# Altium PCB MB1297.PcbDoc (part 1 of 4) (continued)
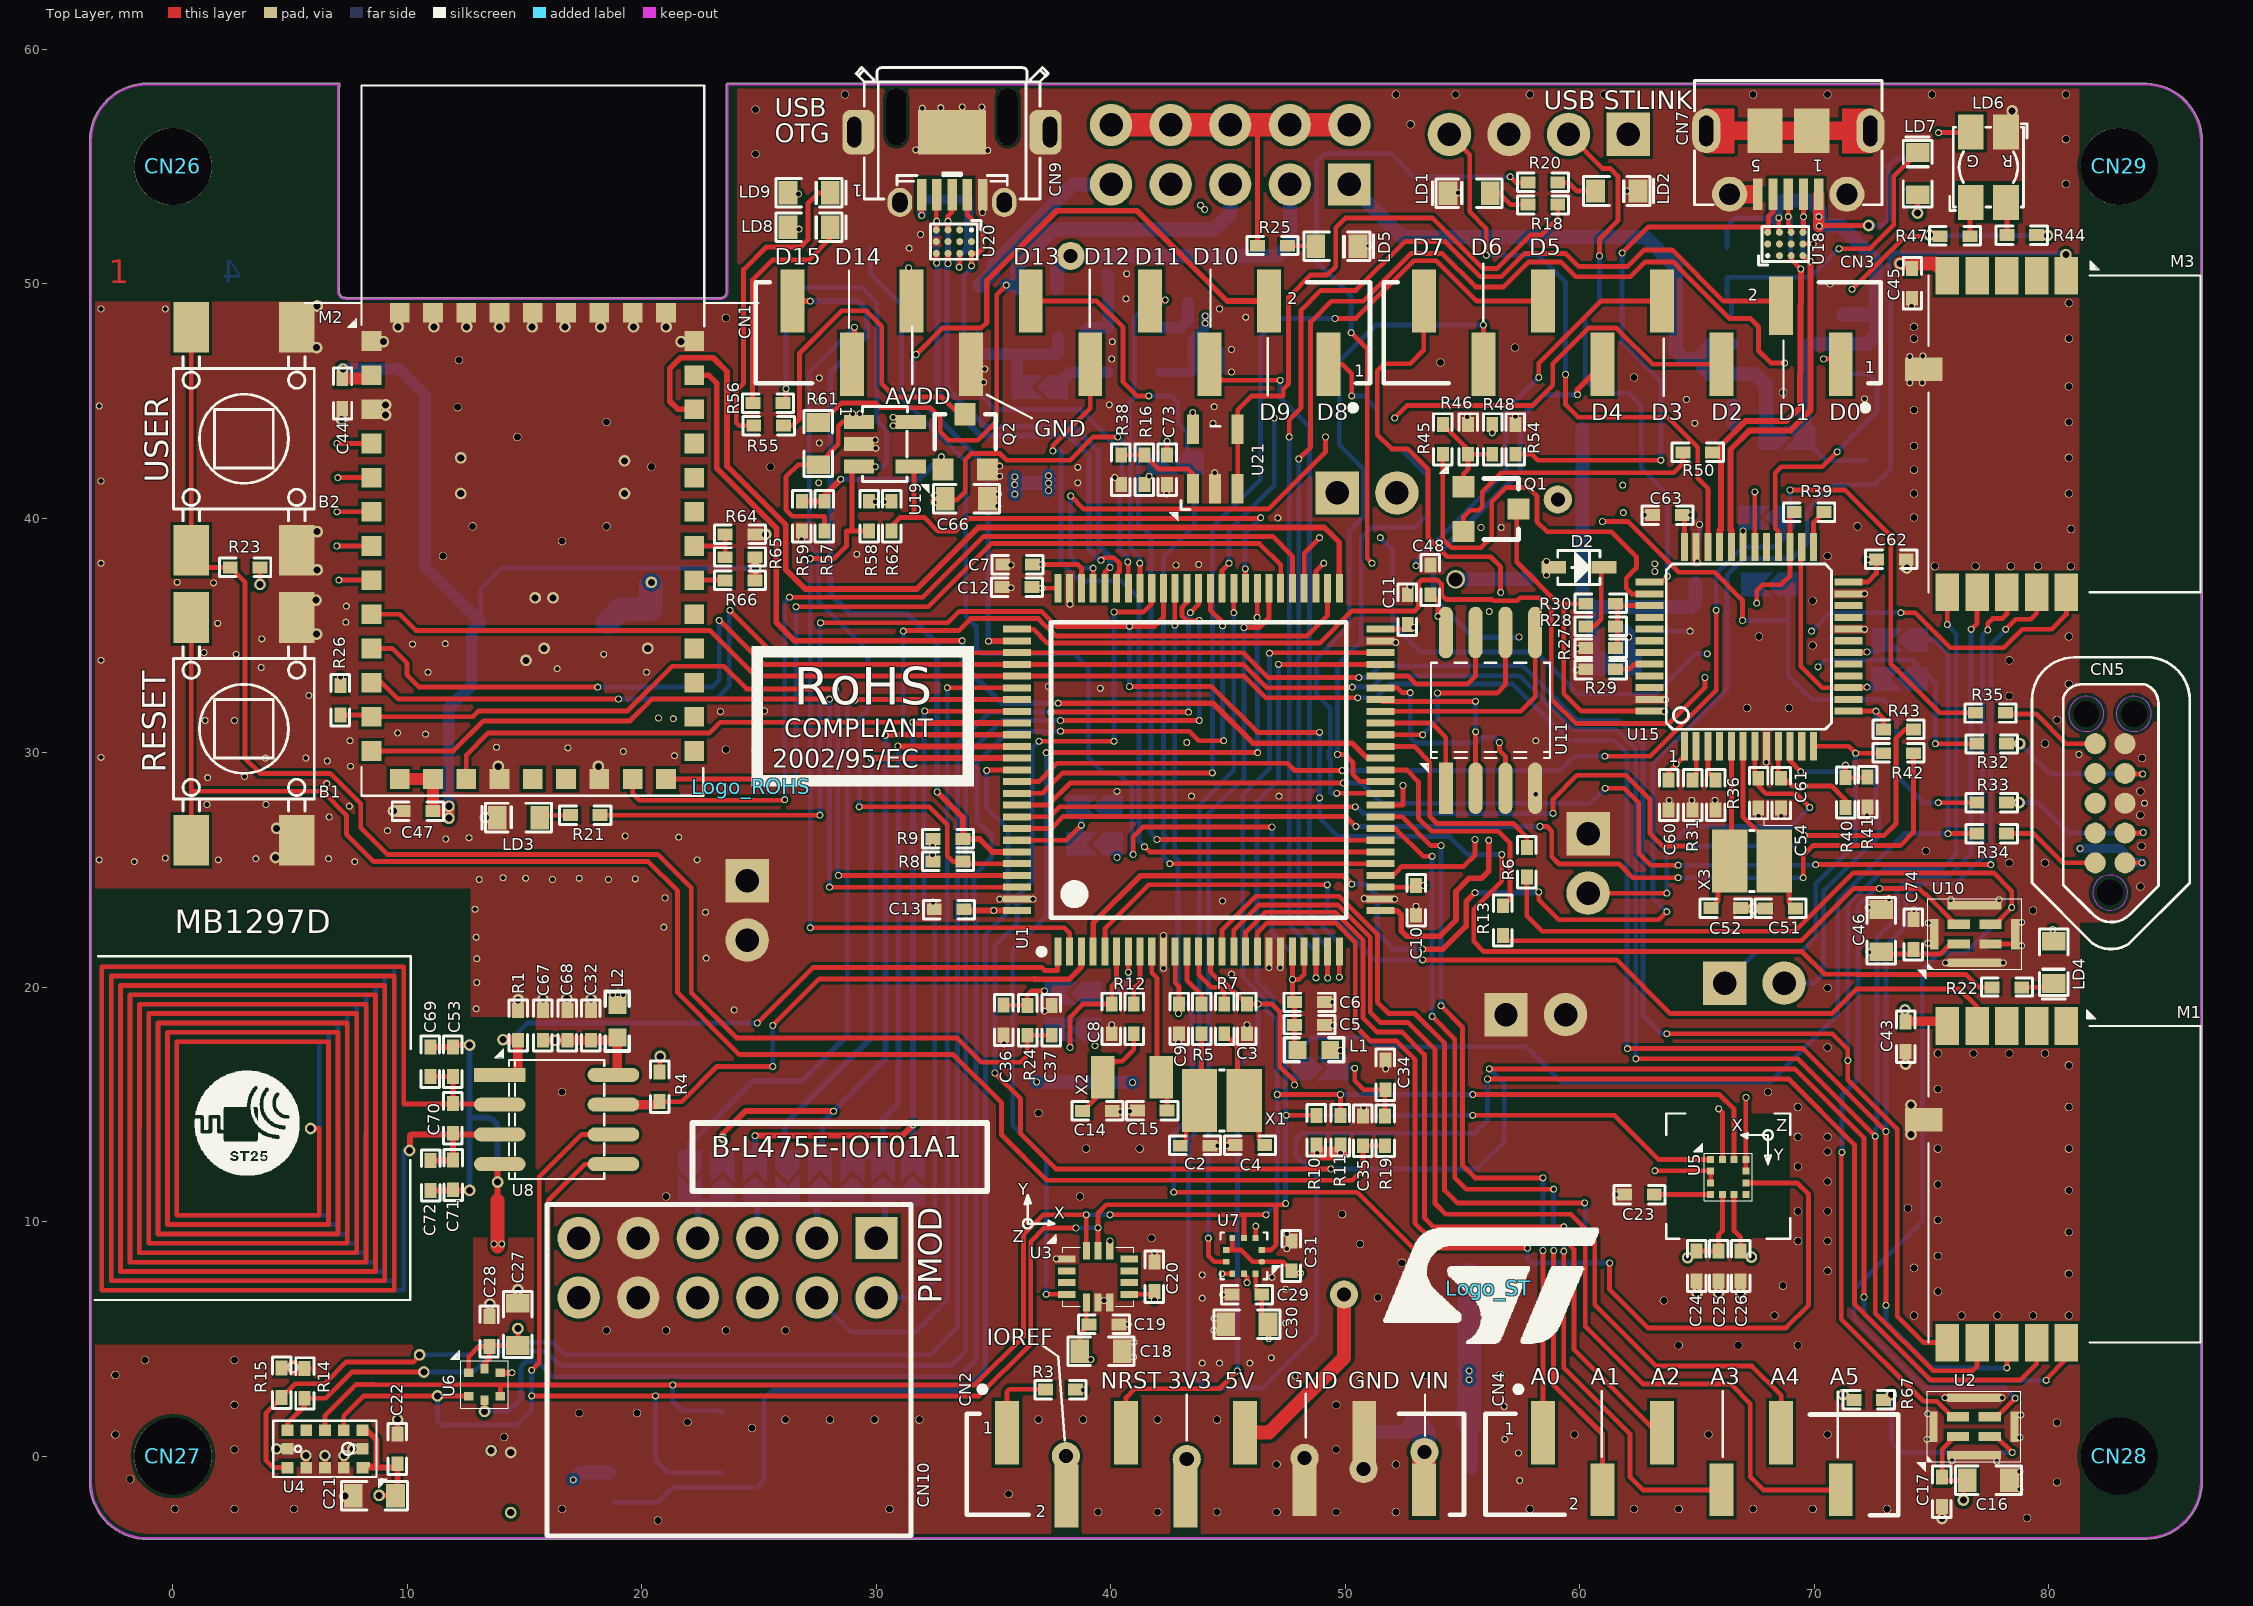
[diagram p0: Top Layer view]
## Design rules (kind name [scope] priority, off if disabled: settings)
AssemblyTestPointUsage [All] p1 off:
AssemblyTestpoint [All] p1 off: testpointundercomponent=TRUE minsize=1.016 maxsize=2.54 preferedsize=1.524 minholesize=0 maxholesize=1.016 preferedholesize=0.813 testpointgrid=0.025 usegrid=TRUE gridtolerance=0 allowsidetop=TRUE allowsidebottom=TRUE
Clearance Clearance_Poly [InPolygon] p1: gap=0.14
Clearance [All] p2: gap=0.102
ComponentClearance [All] p1 off: gap=0.254 collisioncheckmode=3 verticalgap=0.254 showdistances=FALSE
DiffPairsRouting [All] p1: maxlimit=0.508 minlimit=0.145 mostfreqgap=0.145 toplayer_minwidth=0.381 toplayer_maxwidth=0.381 toplayer_prefwidth=0.381 midlayer1_minwidth=0.381 midlayer1_maxwidth=0.381 midlayer1_prefwidth=0.381 midlayer2_minwidth=0.381 midlayer2_maxwidth=0.381 midlayer2_prefwidth=0.381 bottomlayer_minwidth=0.381 bottomlayer_maxwidth=0.381 bottomlayer_prefwidth=0.381 maxuncoupledlength=12.7
FabricationTestPointUsage [All] p1 off: valid=0 allowmultiple=FALSE
FabricationTestpoint [All] p1 off: side=3 testpointundercomponent=TRUE minsize=1.016 maxsize=2.54 preferedsize=1.524 minholesize=0 maxholesize=1.016 preferedholesize=0.813 testpointgrid=0.025 allowsidetop=TRUE allowsidebottom=TRUE usegrid=TRUE gridtolerance=0
FanoutControl Fanout_BGA [IsBGA] p1 off: bgadir=Out bgaviamode=Centered fanoutstyle=Auto fanoutdirection=Alternating viagrid=0.025 // Fanout_BGA (Default Rule)
FanoutControl Fanout_LCC [IsLCC] p2 off: bgadir=Out bgaviamode=Centered fanoutstyle=Auto fanoutdirection=Alternating viagrid=0.025 // Fanout_LCC (Default Rule)
FanoutControl Fanout_SOIC [IsSOIC] p3 off: bgadir=Out bgaviamode=Centered fanoutstyle=Auto fanoutdirection=Alternating viagrid=0.025 // Fanout_SOIC (Default Rule)
FanoutControl Fanout_Small [(CompPinCount < 5)] p4 off: bgadir=Out bgaviamode=Centered fanoutstyle=Auto fanoutdirection=OutThenIn viagrid=0.025 // Fanout_Small (Default Rule)
FanoutControl Fanout_Default [All] p5 off: bgadir=Out bgaviamode=Centered fanoutstyle=Auto fanoutdirection=Alternating viagrid=0.025 // Fanout_Default (Default Rule)
Height [All] p1 off: minheight=0 maxheight=25.4 prefheight=12.7
HoleSize [All] p1: absolutevalues=TRUE maxlimit=3.3 minlimit=0.2 maxpercent=80.000 minpercent=20.000
HoleToHoleClearance [All] p1 off: gap=0.254 allowstackedmicrovias=TRUE
LayerPairs [All] p1 off: enforce=TRUE
MinimumSolderMaskSliver [All] p1 off: minsoldermaskwidth=0.254
NetAntennae [All] p1 off: netantennaetolerance=0
PasteMaskExpansion [All] p1 off: expansion=0
PolygonConnect [All] p1: connectstyle=Direct reliefconductorwidth=0.254 reliefentries=4 polygonreliefangle="90 Angle" airgapwidth=0.254
RoutingCorners [All] p1 off: cornerstyle=45-Degree minsetback=2.54 maxsetback=2.54
RoutingLayers [All] p1 off: top layer_v5=TRUE mid layer 1_v5=TRUE mid layer 2_v5=TRUE bottom layer_v5=TRUE
RoutingPriority [All] p1 off: routingpriority=0
RoutingTopology [All] p1 off: topology=Shortest
RoutingVias [All] p1: holewidth=0.2 width=0.3 viastyle="Through Hole" minholewidth=0.2 minwidth=0.4 maxholewidth=3.3 maxwidth=3
SilkToSilkClearance [All] p1 off: silktosilkclearance=0.254
SilkToSolderMaskClearance SilkscreenOverComponentPads [IsPad] p1 off: minsilkscreentomaskgap=0.254 clearancetoexposedcopper=TRUE
SolderMaskExpansion [All] p1 off: expansion=0.102
Width [All] p1: maxlimit=6 minlimit=0.102 preferedwidth=0.2
6 further rules are at their usual default settings.

## Classes and differential pairs
component class "USB_OTG_FS  Page 4/11": C66 CN9 IC19 IC20 LD8 LD9 Q2 R55 R56 R57 R58 R59 R61 R62 U19 U20
component class "STLink V2.1 Page 11/11": C51 C52 C54 C55 C56 C57 C58 C59 C60 C61 C62 C63 C64 C65 CN5 CN6 CN7 CN8 D2 D3 D4 D5 IC15 IC16 IC17 IC18 JP8 LD6 LD7 Q1 R27 R28 R29 R30 R31 R32 R33 R34 R35 R36 R37 R39 R40 R41 R42 R43 R44 R45 R46 R47 R48 R49 R50 R51 R52 R53 R54 SB5 SB6 SB7 SB8 SB10 SB11 U15 U16 U17 U18 X3
component class "RF Modules Page 5/11": C43 C44 C45 C47 C48 C49 C50 C75 C76 IC11 M1 M2 M3 R26 R64 R65 R66 TP1 TP2 TP3 TP4 TP5 TP6 U11 U12
component class "Power part Page 8/11": C38 C39 C40 C41 C42 HW1 HW2 HW3 HW4 IC13 IC14 JP4 JP5 JP6 JP7 LD5 R25 SB4 U13 U14
component class "Peripherals Page 10/11": B1 B2 C34 C35 C36 C37 C73 CN10 IC21 LD1 LD2 LD3 LD4 R16 R17 R18 R19 R20 R21 R22 R23 R24 R38 SB1 SB2 SB3 SB12 SB14 SB15 SB16 SB18 SB19 SB20 SB21 U21
component class "NFC & ST-SAFE  Page 7/11": C32 C33 C53 C67 C68 C69 C70 C71 C72 IC8 IC9 L2 R1 R4 U8 U9
component class "MEMS Part Page 6/11": C16 C17 C18 C19 C20 C21 C22 C23 C24 C25 C26 C27 C28 C29 C30 C31 C46 C74 IC2 IC3 IC4 IC5 IC6 IC7 R6 R13 R14 R15 R67 U2 U3 U4 U5 U6 U7 U10
component class "MCU2 Page 3/11": C2 C3 C4 C5 C6 C7 C8 C9 C10 C11 C12 C13 L1 R5 R7 SB9 SB13 SB17 X1
component class "MCU1 Page 2/11": C14 C15 IC1 R8 R9 R10 R11 R12 U1 X2
component class "Arduino Connectors Page 9/11": C1 CN1 CN2 CN3 CN4 R2 R3
differential pair USB: +USB_P -USB_N
differential pair USB_STLK: +USB_STLK_P -USB_STLK_N

## Components (designator, comment, footprint, x,y, rotation, side; value= is the part's Value field where it differs from the comment)
B1 "SW-PUSH-CMS_BLACK" "SWI_WEALTHMETAL_TD-0341_4P - BACK" 3.028,31.018 r0 top
B2 "SW-PUSH-CMS_BLUE" "SWI_WEALTHMETAL_TD-0341_4P - BLUE" 3.028,43.388 r0 top
C1 "100nF" 0402_CAP_NPOL 30.384,51.516 r0 bottom
C2 "Not Fitted (8.2pF)" 0402_CAP_NPOL 43.592,13.238 r0 top
C3 "100nF" 0402_CAP_NPOL 45.801,18.648 r90 top
C4 "Not Fitted (8.2pF)" 0402_CAP_NPOL 45.928,13.264 r180 top
C5 "100nF" 0402_CAP_NPOL 48.468,18.394 r0 top
C6 "1uF" 0402_CAP_NPOL 48.468,19.36 r180 top
C7 "100nF" 0402_CAP_NPOL 36.022,38.029 r180 top
C8 "1uF" 0402_CAP_NPOL 40.036,18.648 r90 top
C9 "100nF" 0402_CAP_NPOL 42.906,18.648 r270 top
C10 "100nF" 0402_CAP_NPOL 53.015,23.703 r270 top
C11 "100nF" 0402_CAP_NPOL 52.659,36.098 r90 top
C12 "100nF" 0402_CAP_NPOL 35.997,37.063 r180 top
C13 "100nF" 0402_CAP_NPOL 33.101,23.322 r180 top
C14 "5.1pF" 0402_CAP_NPOL 39.426,14.711 r0 top
C15 "5.1pF" 0402_CAP_NPOL 41.763,14.737 r180 top
C16 "10uF" 0603_CAP_NPOL 77.424,-1.037 r0 top
C17 "100nF" 0402_CAP_NPOL 75.443,-1.519 r90 top
C18 "4.7uF" 0603_CAP_NPOL 39.578,4.475 r0 top
C19 "100nF" 0402_CAP_NPOL 39.705,5.618 r0 top
C20 "100nF" 0402_CAP_NPOL 41.864,7.65 r90 top
C21 "4.7uF" 0603_CAP_NPOL 8.59,-1.697 r180 top
C22 "100nF" 0402_CAP_NPOL 9.581,0.31 r90 top
C23 "100nF" 0402_CAP_NPOL 62.54,11.155 r180 top
C24 "1uF" 0402_CAP_NPOL 64.978,8.107 r270 top
C25 "100nF" 0402_CAP_NPOL 65.918,8.107 r270 top
C26 "100nF" 0402_CAP_NPOL 66.858,8.107 r270 top
C27 "2.2uF" 0603_CAP_NPOL 14.712,5.618 r90 top
C28 "100nF" 0402_CAP_NPOL 13.493,5.313 r90 top
C29 "100nF" 0402_CAP_NPOL 45.801,6.888 r180 top
C30 "4.7uF" 0603_CAP_NPOL 45.801,5.618 r180 top
C31 "100nF" 0402_CAP_NPOL 47.706,8.539 r90 top
C32 "100nF" 0402_CAP_NPOL 17.836,18.369 r90 top
C33 "100nF" 0402_CAP_NPOL 16.033,-0.833 r180 bottom
C34 "100nF" 0402_CAP_NPOL 51.72,16.261 r90 top
C35 "10pF" 0402_CAP_NPOL 50.754,13.873 r90 top
C36 "100nF" 0402_CAP_NPOL 35.413,18.598 r270 top
C37 "10pF" 0402_CAP_NPOL 37.479,18.587 r90 top
C38 "10uF" 0603_CAP_NPOL 50.602,1.935 r90 bottom
C39 "10uF" 0603_CAP_NPOL 56.266,-0.478 r0 bottom
C40 "10uF" 0603_CAP_NPOL 55.657,38.003 r90 bottom
C41 "10uF" 0603_CAP_NPOL 64.928,38.13 r90 bottom
C42 "100nF" 0402_CAP_NPOL 62.565,35.184 r0 bottom
C43 "100nF" 0402_CAP_NPOL 73.894,17.886 r270 top
C44 "100nF" 0402_CAP_NPOL 7.219,45.318 r270 top
C45 "100nF" 0402_CAP_NPOL 74.174,50.017 r270 top
C46 "10uF" 0603_CAP_NPOL 72.852,22.408 r90 top
C47 "100nF" 0402_CAP_NPOL 10.445,27.513 r180 top
C48 "100nF" 0402_CAP_NPOL 53.625,37.368 r90 top
C49 "10uF" 0603_CAP_NPOL 20.376,35.209 r270 bottom
C50 "10uF" 0603_CAP_NPOL 13.543,33.634 r0 bottom
C51 "10pF" 0402_CAP_NPOL 68.56,23.347 r0 top
C52 "10pF" 0402_CAP_NPOL 66.223,23.373 r180 top
C53 "10pF" 0402_CAP_NPOL 11.943,16.82 r90 top
C54 "100nF" 0402_CAP_NPOL 67.607,28.275 r270 top
C55 "100nF" 0402_CAP_NPOL 44.1,46.233 r0 bottom
C56 "1uF" 0402_CAP_NPOL 40.442,50.398 r0 bottom
C57 "100nF" 0402_CAP_NPOL 40.42,49.385 r0 bottom
C58 "10nF" 0402_CAP_NPOL 43.922,49.179 r0 bottom
C59 "1uF" 0402_CAP_NPOL 44.1,47.223 r0 bottom
C60 "100nF" 0402_CAP_NPOL 63.785,28.199 r270 top
C61 "100nF" 0402_CAP_NPOL 68.573,28.275 r270 top
C62 "100nF" 0402_CAP_NPOL 73.284,38.232 r0 top
C63 "100nF" 0402_CAP_NPOL 63.734,40.137 r180 top
C64 "1uF" 0402_CAP_NPOL 71.608,50.221 r180 bottom
C65 "100nF" 0402_CAP_NPOL 64.547,46.08 r270 bottom
C66 "4.7uF" 0603_CAP_NPOL 33.838,40.823 r0 top
C67 "100pF" 0402_CAP_NPOL 15.779,18.369 r90 top
C68 "1uF" 0402_CAP_NPOL 16.82,18.369 r90 top
C69 "Not Fitted" 0402_CAP_NPOL 10.978,16.82 r90 top
C70 "Not Fitted" 0402_CAP_NPOL 11.943,14.407 r90 top
C71 "10pF" 0402_CAP_NPOL 11.943,11.994 r270 top
C72 "Not Fitted" 0402_CAP_NPOL 10.978,11.968 r270 top
C73 "100nF" 0402_CAP_NPOL 42.398,42.067 r270 top
C74 "100nF" 0402_CAP_NPOL 74.224,22.25 r90 top
C75 "2.2uF" 0603_CAP_NPOL 10.648,46.741 r0 bottom
C76 "2.2uF" 0603_CAP_NPOL 10.673,27.513 r180 bottom
CN1 "Header 10X1_Female_SMD" F-V50XC-1X10R-LF 37.852,47.911 r0 top locked
CN2 "Header 8X1_Female_SMD" F-V50XC-1X08R-LF#1 44.456,-0.349 r180 top locked
CN3 "Header 8X1_Female_SMD" F-V50XC-1X08R-LF#2 62.236,47.911 r0 top locked
CN4 "Header 6X1_Female_SMD" F-V50XC-1X06R-LF 64.776,-0.349 r180 top locked
CN5 "TC2050-IDC-NL" CON_TAG-C_TC2050-IDC-NL 82.614,27.843 r90 top
CN6 "header 2 pins 2.54mm" CON_SAMTEC_TSW-102-07-G-S 67.442,20.172 r0 bottom
CN7 "1050170001" CON_USBMICROB_MOLEX_105017-0001_H2P90 68.89,57.968 r180 top
CN8 "Header 4 pins" CON_SAMTEC_TSW-104-07-G-S 58.247,56.367 r180 bottom
CN9 "475900001" CON_USBMICROAB_MOLEX_47590-0001_H3 33.228,57.917 r180 top
CN10 "HEADER_2X6_PMOD" "Header F 2x6x2.54 TH H PMOD" 30.003,9.301 r180 top
CN26 "Comment" "Spacer+Nut M3" 0,55 r90 top
CN27 "Comment" "Spacer+Nut M3" 0,0 r90 top
CN28 "Comment" "Spacer+Nut M3" 83,0 r90 top
CN29 "Comment" "Spacer+Nut M3" 83,55 r90 top
D2 "BAT60JFILM" DIO_SOD323 59.956,37.902 r0 top
D3 "BAT60JFILM" DIO_SOD323 37.699,48.747 r270 bottom
D4 "BAT60JFILM" DIO_SOD323 34.302,48.746 r270 bottom
D5 "BAT60JFILM" DIO_SOD323 36.017,48.746 r270 bottom
JP4 "HEADER_2X5" "Header M 2x5x2.54 TH V" 50.17,54.234 r180 bottom
JP5 "Jumper_2.54mm" CON_SAMTEC_TSW-102-07-G-S 50.928,41.077 r0 bottom
JP6 "Jumper_2.54mm" CON_SAMTEC_TSW-102-07-G-S 58.12,18.826 r0 bottom
JP7 "Jumper_2.54mm" CON_SAMTEC_TSW-102-07-G-S 24.491,23.275 r270 bottom
JP8 "Jumper_2.54mm" CON_SAMTEC_TSW-102-07-G-S 60.356,25.278 r270 bottom
L1 "FCM1608KF-601T03" 0603L 48.659,17.328 r0 top
L2 "742792042" 0603L 18.954,18.547 r270 top
LD1 "LED" 0603_LED_GREEN 55.276,53.853 r0 top
LD2 "LED" 0603_LED_GREEN 61.575,53.954 r180 top
LD3 "LED" 0603_LED_Yellow 14.737,27.234 r0 top
LD4 "LED" 0603_LED_Blue 80.218,21.061 r90 top
LD5 "LED" 0603_LED_GREEN 49.637,51.592 r180 top
LD6 "LD_BICOLOR_CMS" LED_BI-GR_HSMF-A201-A00J1 77.424,54.97 r180 top
LD7 "LED" 0603_LED_RED 74.402,54.691 r270 top
LD8 "LED" 0603_LED_RED 27.132,52.405 r180 top
LD9 "LED" 0603_LED_GREEN 27.132,53.878 r180 top
Logo_ESD "Comment" SYMBOL_ESD 31.222,20.299 r180 bottom
Logo_ROHS "Comment" SYMBOL_RoHS 24.669,28.554 r0 top
Logo_ST "Comment" LOGO_ST_Size3 56.114,7.168 r0 top
M1 "BT Module" SPBTLE-RF 80.752,18.344 r270 top
M2 "ISM43362-M3G-L44" ISM43362-M3G-L44 15.347,38.816 r90 top locked
M3 "SPSGRF" SPSGRF 80.752,50.348 r270 top
Q1 "BSR14" SOT23-3 57.384,40.391 r270 top
Q2 "BSR14" SOT23-3 33.787,44.429 r0 top
R1 "30K" 0402_RES 14.712,18.369 r270 top
R2 "0R" 0402_RES 30.384,50.652 r180 bottom
R3 "1K" 0402_RES 37.851,2.85 r180 top
R4 "20K" 0402_RES 20.757,15.753 r270 top
R5 "Not Fitted (0R)" 0402_RES 43.871,18.648 r270 top
R6 "0R" 0402_RES 57.739,25.329 r90 top
R7 "Not Fitted (0R)" 0402_RES 44.836,18.648 r270 top
R8 "2K2" 0402_RES 33.051,25.354 r0 top
R9 "2K2" 0402_RES 33.051,26.319 r0 top
R10 "2K2" 0402_RES 48.773,13.899 r90 top
R11 "2K2" 0402_RES 49.789,13.899 r90 top
R12 "0R" 0402_RES 40.975,18.648 r270 top
R13 "0R" 0402_RES 56.723,22.839 r90 top
R14 "10K" 0402_RES 5.619,3.104 r270 top
R15 "10K" 0402_RES 4.628,3.129 r270 top
R16 "10K" 0402_RES 41.433,42.067 r90 top
R18 "1K" 0402_RES 58.425,53.37 r180 top
R19 "1K" 0402_RES 51.694,13.873 r270 top
R20 "330R" 0402_RES 58.425,54.31 r0 top
R21 "1K" 0402_RES 17.582,27.335 r180 top
R22 "680R" 0402_RES 78.212,19.995 r0 top
R23 "100K" 0402_RES 3.079,37.902 r0 top
R24 "1K" 0402_RES 36.438,18.587 r270 top
R25 "330R" 0402_RES 46.894,51.618 r0 top
R26 "47K" 0402_RES 7.143,32.237 r90 top
R27 "4K7" 0402_RES 60.889,34.473 r180 top
R28 "2K7" 0402_RES 60.889,35.387 r0 top
R29 "100K" 0402_RES 60.889,33.558 r180 top
R30 "Not Fitted (0R)" 0402_RES 60.889,36.352 r0 top
R31 "10K" 0402_RES 64.801,28.199 r270 top
R32 "22R" 0402_RES 77.564,30.383 r180 top
R33 "22R" 0402_RES 77.564,27.869 r180 top
R34 "22R" 0402_RES 77.564,26.548 r180 top
R35 "22R" 0402_RES 77.513,31.704 r180 top
R36 "Not Fitted (10K)" 0402_RES 65.791,28.199 r270 top
R38 "200K" 0402_RES 40.442,42.067 r90 top
R39 "100R" 0402_RES 69.779,40.264 r180 top
R40 "4K7" 0402_RES 71.328,28.3 r270 top
R41 "4K7" 0402_RES 72.268,28.326 r270 top
R42 "0R" 0402_RES 73.589,29.977 r0 top
R43 "0R" 0402_RES 73.589,30.993 r0 top
R44 "330R" 0402_RES 78.847,52.075 r180 top
R45 "100R" 0402_RES 54.158,43.363 r90 top
R46 "36K" 0402_RES 55.225,43.363 r270 top
R47 "330R" 0402_RES 76.002,52.024 r0 top
R48 "10K" 0402_RES 56.266,43.363 r270 top
R49 "100K" 0402_RES 66.274,50.906 r90 bottom
R50 "1K5" 0402_RES 65.029,42.804 r0 top
R51 "10K" 0402_RES 72.167,43.083 r270 bottom
R52 "1K" 0402_RES 73.919,54.678 r90 bottom
R53 "2K2" 0402_RES 65.791,43.617 r0 bottom
R54 "100K" 0402_RES 57.257,43.363 r90 top
R55 "330R" 0402_RES 25.405,43.947 r180 top
R56 "1K" 0402_RES 25.38,44.912 r180 top
R57 "47K" 0402_RES 27.788,40.086 r90 top
R58 "47K" 0402_RES 29.683,40.086 r270 top
R59 "100K" 0402_RES 26.828,40.086 r90 top
R61 "0R" 0603_RES 27.513,43.185 r270 top
R62 "47K" 0402_RES 30.643,40.086 r270 top
R64 "Not Fitted (10K)" 0402_RES 24.186,39.299 r0 top
R65 "Not Fitted (10K)" 0402_RES 24.186,38.333 r0 top
R66 "Not Fitted (10K)" 0402_RES 24.186,37.343 r0 top
R67 "10K" 0402_RES 72.319,2.392 r0 top
SB1 "Close" SB 42.753,42.372 r180 bottom
SB2 "Close" SB 48.926,16.54 r0 bottom
SB3 "Close" SB 38.385,19.741 r180 bottom
SB4 "Close" SB 61.448,33.812 r0 bottom
SB5 "Close" SB 68.077,37.165 r180 bottom
SB6 "Close" SB 73.614,33.152 r180 bottom
SB7 "Close" SB 67.976,40.035 r180 bottom
SB8 "Close" SB 73.64,34.803 r180 bottom
SB9 "Open" SB 39.299,26.116 r180 bottom
SB10 "Close" SB 36.962,45.598 r180 bottom
SB11 "Open" SB 68.839,43.413 r0 bottom
SB12 "Open" SB 28.983,11.841 r90 bottom
SB13 "Close" SB 39.299,27.691 r180 bottom
SB14 "Close" SB 30.282,11.847 r90 bottom
SB15 "Close" SB 27.597,11.841 r90 bottom
SB16 "Open" SB 23.439,11.816 r90 bottom
SB17 "Close" SB 38.385,18.191 r180 bottom
SB18 "Close" SB 24.825,11.841 r90 bottom
SB19 "Open" SB 31.552,11.851 r90 bottom
SB20 "Open" SB 26.211,11.841 r270 bottom
SB21 "Close" SB 22.052,11.841 r270 bottom
TP1 "PT" PTB 8.472,43.187 r180 bottom
TP2 "PT" PTB 8.472,41.73 r180 bottom
TP3 "PT" PTB 8.472,40.273 r180 bottom
TP4 "PT" PTB 8.472,38.816 r180 bottom
TP5 "PT" PTB 8.472,37.359 r180 bottom
TP6 "PT" PTB 8.472,35.902 r180 bottom
TP9 "Comment" "LOGO CE" 42.913,11.088 r180 bottom
U1 "STM32L475VGTx" "LQFP100 14x14x1.6" 43.744,29.266 r90 top
U2 "MP34DT01-M" "HCLGA-4LD 3x4x1" 76.807,1.262 r90 top
U3 "LSM6DSL" LGA14L-2.5X3X0.86p0.5 39.451,7.65 r0 top
U4 "VL53L0X" LGA12-optical 6.482,0.31 r0 top
U5 "LIS3MDL" VFLGA12-2x2x1 66.329,11.904 r0 top
U6 "HTS221" HLGA6L-2x2x0.9 13.289,3.053 r0 top
U7 "LPS22HB" HLGA10L-2X2X0.76 45.674,8.539 r180 top
U8 "M24SR64-Y" SOP8 16.363,14.356 r0 top
U9 "STSAFE-A100 (Not Fitted)" SOP8 21.011,-0.071 r0 bottom
U10 "MP34DT01-M" "HCLGA-4LD 3x4x1" 76.84,22.266 r90 top
U11 "MX25R6435F" SOP8L 56.19,31.806 r90 top
U12 "LT1963EST-3.3" SOT223_SC73 15.829,38.664 r180 bottom
U13 "LD1117S50TR" REG_SOT223-TAB 55.28,4.551 r180 bottom
U14 "LD1117S33TR" REG_SOT223-TAB 60.106,40.619 r180 bottom
U15 "STM32F103CBT6" ICC_LQFP48_7X7_P050 67.214,34.523 r0 top
U16 "LD3985M33R" REG_SOT23-5L 40.993,47.176 r90 bottom
U17 "ST890CDR" ICC_SO8_5X4_P127 68.839,46.792 r270 bottom
U18 "EMIF02-USB03F2" ESD_FLIP-CHIP-BGA11_1P44X1P94_P050 68.763,51.694 r90 top
U19 "STMPS2141STR" MOS_SOT23-5L 30.358,43.159 r270 top
U20 "EMIF02-USB03F2" ESD_FLIP-CHIP-BGA11_1P44X1P94_P050 33.305,51.795 r270 top
U21 "TSV631AILT" SOT23-5 44.455,42.524 r90 top
X1 "Not Fitted (NX3225GD-8.00M)" CRY_NX3225GD_2P 44.735,15.169 r180 top
X2 "NX3215SA-32.768K" CRY_NX3215SA_2P 40.899,16.159 r0 top
X3 "NX3225GD-8.00M" CRY_NX3225GD_2P 67.341,25.379 r180 top

## Footprints (in the part's own frame and the unit in brackets; to place one, negate y for a bottom-side part, rotate by r counter-clockwise, add the part's x,y. Pads: shape width x height; smd on the part's side, far side on the other; paste and mask are expansions set on the pad)
0402_CAP_NPOL [mil] "Capacitor FootPrint 0402"
  rect 25x20 smd: 1(-25,0) 2(25,0)
  silkscreen extent -43,-15 43,16, body extent -39,-14 41,14, height 32
0402_RES [mil] "Resistor FootPrint 0402"
  rect 25x20 smd: 1(-25,0) 2(25,0)
  silkscreen extent -43,-15 43,16, body extent -38,-11 39,13, height 16
0603_CAP_NPOL [mm] "Capacitor FootPrint 0603"
  rect 0.8x1 smd: 1(-0.902,0) 2(0.902,0)
  silkscreen extent -1.41,-0.61 1.41,0.61, body extent -1.28,-0.46 1.26,0.48, height 0.82
0603_LED_Blue [mm] "Resistor Footprint 0603"
  rect 0.8x1 smd: A(0.902,0) K(-0.902,0)
  silkscreen extent -1.59,-0.61 1.41,0.61, body extent -1.26,-0.48 1.26,0.48, height 0.84
0603_LED_GREEN [mm] "Resistor Footprint 0603"
  rect 0.8x1 smd: A(0.902,0) K(-0.902,0)
  silkscreen extent -1.59,-0.61 1.41,0.61, body extent -1.26,-0.48 1.26,0.48, height 0.84
0603_LED_RED [mm] "Resistor Footprint 0603"
  rect 0.8x1 smd: A(0.902,0) K(-0.902,0)
  silkscreen extent -1.59,-0.61 1.41,0.61, body extent -1.26,-0.48 1.26,0.48, height 0.84
0603_LED_Yellow [mm] "Resistor Footprint 0603"
  rect 0.8x1 smd: A(0.902,0) K(-0.902,0)
  silkscreen extent -1.59,-0.61 1.41,0.61, body extent -1.26,-0.48 1.26,0.48, height 0.84
0603_RES [mm] "Resistor Footprint 0603"
  rect 0.8x1 smd: 1(-0.902,0) 2(0.902,0)
  silkscreen extent -1.41,-0.61 1.41,0.61, body extent -1.26,-0.48 1.26,0.48, height 0.4
0603L [mil]
  rect 30x30 smd: 1(27.5,0) 2(-27.5,0)
  silkscreen extent -50,-20 50,20
CON_SAMTEC_TSW-102-07-G-S [mm]
  rect 1.85x1.85 hole 1 mask+0.05: 1(-1.27,0)
  round 1.85 hole 1 mask+0.05: 2(1.27,0)
  silkscreen extent -2.58,-1.3 2.58,1.3, body extent -2.67,-1.3 2.58,1.3, height 8.38
CON_SAMTEC_TSW-104-07-G-S [mm]
  rect 1.85x1.85 hole 1 mask+0.05: 1(-3.81,0)
  round 1.85 hole 1 mask+0.05: 2(-1.27,0) 3(1.27,0) 4(3.81,0)
  silkscreen extent -5.12,-1.3 5.12,1.3, body extent -5.21,-1.37 5.18,1.37, height 8.38
CON_TAG-C_TC2050-IDC-NL [mm]
  round 0.9 smd paste-9 mask+0.05: 1(-2.54,-0.635)
  round 0.9 smd paste-0.9 mask+0.05: 2(-1.27,-0.635) 3(0,-0.635) 4(1.27,-0.635) 5(2.54,-0.635) 6(2.54,0.635) 7(1.27,0.635) 8(0,0.635) 9(-1.27,0.635) 10(-2.54,0.635)
  round 0 hole 1.1 unplated mask+0.05: 11(-3.81,0) 12(3.81,-1.015) 13(3.81,1.015)
  Multi-Layer keep-out circle w0.01: c-3.81,0 r0.75
  Multi-Layer keep-out circle w0.01: c3.81,1.015 r0.75
  Multi-Layer keep-out circle w0.01: c3.81,-1.015 r0.75
  silkscreen extent -6.22,-3.4 6.22,3.33
CON_USBMICROAB_MOLEX_47590-0001_H3 [mm]
  rect 0.4x1.35 smd mask+0.05: 1(1.3,4.125) 2(0.65,4.125) 3(0,4.125) 4(-0.65,4.125) 5(-1.3,4.125)
  oval 1.05x1.25 hole 0.65 slot 0.85 at 90 deg mask+0.05: 6(-2.225,4.45) 7(2.225,4.45)
  rrect50% 1.375x1.9 hole 0.6 slot 1.3 at 90 deg copper offset 0.188,0 mask+0.05: 8(-4.175,1.45)
  rrect50% 1.375x1.9 hole 0.6 slot 1.3 at 90 deg copper offset -0.188,0 mask+0.05: 9(4.175,1.45)
  rect 2.9x1.9 smd mask+0.05: 10(0,1.45)
  oval 0.85x2.425 hole 0.85 slot 2.425 at 90 deg unplated mask+0.1: 11(-2.375,0.8) 12(2.375,0.8)
  silkscreen extent -4.1,-1.3 4.1,4.3, body extent -4.32,-1.36 4.33,4.6, height 3
CON_USBMICROB_MOLEX_105017-0001_H2P90 [mm]
  rect 0.4x1.35 smd mask+0.05: 1(-1.3,4.15) 2(-0.65,4.15) 3(0,4.15) 4(0.65,4.15) 5(1.3,4.15)
  round 1.5 hole 0.9 mask+0.05: 6(-2.5,4.15) 7(2.5,4.15)
  oval 1.2x1.9 hole 0.6 slot 1.3 at 90 deg mask+0.05: 8(3.5,1.45) 9(-3.5,1.45)
  rect 1.5x1.9 smd mask+0.05: 10(-1,1.45) 11(1,1.45)
  Top Layer region: -3.5,2.4 -2.3,2.4 -2.3,0.5 -3.5,0.5 -3.5,2.4
  Top Layer region: 2.3,2.4 3.5,2.4 3.5,0.5 2.3,0.5 2.3,2.4
  silkscreen extent -4,-0.7 4,4.6, body extent -4.1,-1.15 4.1,4.66, height 2.9
CRY_NX3215SA_2P [mm]
  rect 1x1.8 smd mask+0.05: 1(-1.25,0) 2(1.25,0)
  body extent -1.65,-0.8 1.65,0.8, height 0.9
CRY_NX3225GD_2P [mm]
  rect 1.5x2.7 smd mask+0.05: 1(-0.95,0) 2(0.95,0)
  silkscreen extent -0.1,-1.3 0.1,1.3, body extent -1.65,-1.3 1.65,1.3, height 1
DIO_SOD323 [mm]
  rect 1.06x0.54 smd mask+0.05: 1(-1.07,0) 2(1.07,0)
  silkscreen extent -0.9,-0.72 0.9,0.72, body extent -1.3,-0.78 1.3,0.78, height 1.17
ESD_FLIP-CHIP-BGA11_1P44X1P94_P050 [mm]
  round 0.3 smd paste+0 mask+0.05: A2(0,0.75) A3(0.5,0.75) B1(-0.5,0.25) B2(0,0.25) B3(0.5,0.25) C1(-0.5,-0.25) C2(0,-0.25) C3(0.5,-0.25) D1(-0.5,-0.75) D2(0,-0.75) D3(0.5,-0.75)
  silkscreen extent -0.9,-1 0.75,1.15, body extent -0.7,-0.95 0.7,0.95, height 0.7
F-V50XC-1X06R-LF [mm] "Connector 6pts, 2.54mm  female smd"
  rect 1.02x2.7 smd: 1(6.35,-1.35) 3(1.27,-1.35) 5(-3.81,-1.35)
  rect 1.02x2.25 smd: 2(3.81,1.09) 4(-1.27,1.09) 6(-6.35,1.09)
  silkscreen extent -8.8,-3.32 8.8,2.17, body extent -8,-1.27 8,1.24, height 9.02
F-V50XC-1X08R-LF#1 [mm] "Connector 8pts, 2.54mm  female smd"
  rect 1.02x2.7 smd: 1(8.89,-1.35) 2(6.35,1.35) 3(3.81,-1.35) 4(1.27,1.35) 5(-1.27,-1.35) 7(-6.35,-1.35)
  rect 1.02x2.25 smd: 6(-3.81,1.09) 8(-8.89,1.09)
  silkscreen extent -10.6,-3.32 10.6,2.15, body extent -10.54,-1.24 10.49,1.27, height 9.02
F-V50XC-1X08R-LF#2 [mm] "Connector 8pts, 2.54mm  female smd"
  rect 1.02x2.7 smd: 1(8.89,-1.35) 3(3.81,-1.35) 4(1.27,1.35) 5(-1.27,-1.35) 6(-3.81,1.35) 7(-6.35,-1.35) 8(-8.89,1.35)
  rect 1.02x2.5 smd: 2(6.35,1.15)
  silkscreen extent -10.6,-3.32 10.6,2.15, body extent -10.54,-1.24 10.49,1.27, height 9.02
F-V50XC-1X10R-LF [mm] "Connector 10pts, 2.54mm  female smd"
  rect 1.02x2.7 smd: 1(11.43,-1.35) 2(8.89,1.35) 3(6.35,-1.35) 4(3.81,1.35) 5(1.27,-1.35) 6(-1.27,1.35) 7(-3.81,-1.35) 8(-6.35,1.35) 9(-8.89,-1.35) 10(-11.43,1.35)
  silkscreen extent -13,-3.32 13.2,2.15, body extent -13.08,-1.27 13.13,1.24, height 9.02
"HCLGA-4LD 3x4x1" [mm] "HCLGA-4LD 3x4x1mm (MP34DT01_Microphone MEMS)"
  rect 0.4x0.95 smd mask+0.02: 1(-0.425,0.675) 2(-0.425,-0.675) 3(0.425,-0.675) 4(0.425,0.675)
  rect 0.35x2.3 smd mask+0.02: 5(-1.225,0) 5(1.225,0)
  rect 1.3x0.35 smd mask+0.02: 5(0,1.725) 5(0,-1.725)
  silkscreen extent -1.91,-2 1.5,2.44, body extent -1.5,-2.01 1.5,2.01, height 1.01
"Header F 2x6x2.54 TH H PMOD" [mm] "2x6x2.54 Header TH H Female PMOD Warning Specific Pinout"
  rect 1.8x1.8 hole 1: 1(0,0)
  round 1.8 hole 1: 2(2.54,0) 3(5.08,0) 4(7.62,0) 5(10.16,0) 6(12.7,0) 7(0,2.54) 8(2.54,2.54) 9(5.08,2.54) 10(7.62,2.54) 11(10.16,2.54) 12(12.7,2.54)
  silkscreen extent -1.47,-1.43 14.05,12.7, body extent -1.42,-0.32 14.07,12.71, height 5.04
"Header M 2x5x2.54 TH V" [mm] "2x5x2.54 Header TH V Male"
  rect 1.8x1.8 hole 1: 1(0,0)
  round 1.8 hole 1: 2(0,2.54) 3(2.54,0) 4(2.54,2.54) 5(5.08,0) 6(5.08,2.54) 7(7.62,0) 8(7.62,2.54) 9(10.16,0) 10(10.16,2.54)
  silkscreen extent -1.47,-1.43 11.56,3.97, body extent -1.3,-1.24 11.4,3.84, height 8.5
HLGA6L-2x2x0.9 [mm] "HLGA6L 2x2x0.9mm pitch1mm"
  rect 0.4x0.35 smd mask+0.05: 1(-0.675,0.5) 2(-0.675,-0.5) 4(0.675,-0.5) 5(0.675,0.5)
  rect 0.35x0.4 smd mask+0.05: 3(0,-0.675) 6(0,0.675)
  silkscreen extent -1.45,-1.02 1.02,1.46, body extent -1.02,-1.02 1.02,1.02, height 1
HLGA10L-2X2X0.76 [mm] "HLGA-10L 2x2x0.76mm pitch 0.5mm"
  oct 0.275x0.25 smd paste+0 mask+0.05: 1(-0.763,0.25)
  rect 0.275x0.25 smd paste+0 mask+0.05: 2(-0.763,-0.25) 6(0.763,-0.25) 7(0.763,0.25)
  rect 0.25x0.275 smd paste+0 mask+0.05: 3(-0.5,-0.763) 4(0,-0.763) 5(0.5,-0.763) 8(0.5,0.763) 9(0,0.763) 10(-0.5,0.763)
  silkscreen extent -1.5,-1 1,1, body extent -1.02,-1.02 1.02,1.02, height 0.77
ICC_LQFP48_7X7_P050 [mm]
  rect 0.3x1.2 smd mask+0.05: 1(-2.75,-4.25) 2(-2.25,-4.25) 3(-1.75,-4.25) 4(-1.25,-4.25) 5(-0.75,-4.25) 6(-0.25,-4.25) 7(0.25,-4.25) 8(0.75,-4.25) 9(1.25,-4.25) 10(1.75,-4.25) 11(2.25,-4.25) 12(2.75,-4.25) 25(2.75,4.25) 26(2.25,4.25) 27(1.75,4.25) 28(1.25,4.25) 29(0.75,4.25) 30(0.25,4.25) 31(-0.25,4.25) 32(-0.75,4.25) 33(-1.25,4.25) 34(-1.75,4.25) 35(-2.25,4.25) 36(-2.75,4.25)
  rect 1.2x0.3 smd mask+0.05: 13(4.25,-2.75) 14(4.25,-2.25) 15(4.25,-1.75) 16(4.25,-1.25) 17(4.25,-0.75) 18(4.25,-0.25) 19(4.25,0.25) 20(4.25,0.75) 21(4.25,1.25) 22(4.25,1.75) 23(4.25,2.25) 24(4.25,2.75) 37(-4.25,2.75) 38(-4.25,2.25) 39(-4.25,1.75) 40(-4.25,1.25) 41(-4.25,0.75) 42(-4.25,0.25) 43(-4.25,-0.25) 44(-4.25,-0.75) 45(-4.25,-1.25) 46(-4.25,-1.75) 47(-4.25,-2.25) 48(-4.25,-2.75)
  silkscreen extent -3.52,-3.52 3.52,3.52, body extent -4.5,-4.5 4.5,4.5, height 1.6
ICC_SO8_5X4_P127 [mm]
  rect 0.7x1.75 smd mask+0.05: 1(-1.905,-2.375) 2(-0.635,-2.375) 3(0.635,-2.375) 4(1.905,-2.375) 5(1.905,2.375) 6(0.635,2.375) 7(-0.635,2.375) 8(-1.905,2.375)
  silkscreen extent -2.58,-2 2.58,2, body extent -2.57,-3 2.57,3, height 1.75
ISM43362-M3G-L44 [mm] "ISM43362-M3G-L44 Module Wifi 802.11 bgn"
  rect 0.84x0.84 smd: 1(8.742,6.88) 2(7.285,6.88) 3(5.828,6.88) 4(4.371,6.88) 5(2.914,6.88) 6(1.457,6.88) 7(0,6.88) 8(-1.457,6.88) 9(-2.914,6.88) 10(-4.371,6.88) 11(-5.828,6.88) 12(-7.285,6.88) 13(-8.742,6.88) 14(-9.942,5.68) 15(-9.942,4.26) 16(-9.942,2.84) 17(-9.942,1.42) 18(-9.942,0) 19(-9.942,-1.42) 20(-9.942,-2.84) 21(-9.942,-4.26) 22(-9.942,-5.68) 23(-8.742,-6.88) 24(-7.285,-6.88) 25(-5.828,-6.88) 26(-4.371,-6.88) 27(-2.914,-6.88) 28(-1.457,-6.88) 29(0,-6.88) 30(1.457,-6.88) 31(2.914,-6.88) 32(4.371,-6.88) 33(5.828,-6.88) 34(7.285,-6.88) 35(8.742,-6.88) 36(9.942,-5.68) 37(9.942,-4.26) 38(9.942,-2.84) 39(9.942,-1.42) 40(9.942,0) 41(9.942,1.42) 42(9.942,2.84) 43(9.942,4.26) 44(9.942,5.68)
  silkscreen extent -10.65,-9.63 19.64,9.73, body extent -10.64,-7.32 19.66,7.32, height 2.7
LED_BI-GR_HSMF-A201-A00J1 [mm]
  rect 1.1x1.5 smd mask+0.05: 1(-0.75,-1.5) 2(-0.75,1.5) 3(0.75,1.5) 4(0.75,-1.5)
  silkscreen extent -1.65,-1.85 1.65,1.85, body extent -1.5,-1.85 1.5,1.85, height 2.1
LGA12-optical [mm] "VL53L0X : World smallest Time-of-Flight ranging and gesture detection sensor"
  rect 0.5x0.5 smd: 1(1.6,-0.8) 2(0.8,-0.8) 3(0,-0.8) 4(-0.8,-0.8) 5(-1.6,-0.8) 6(-1.6,0) 7(-1.6,0.8) 8(-0.8,0.8) 9(0,0.8) 10(0.8,0.8) 11(1.6,0.8) 12(1.6,0)
  rect 0.08x0.25 smd: 1(1.89,-0.675)
  silkscreen extent -2.2,-1.65 2.67,1.2, body extent -2.18,-1.22 2.21,1.19, height 1.01
LGA14L-2.5X3X0.86p0.5 [mm] "LGA14 2.5x3x0.86mm pitch0.5mm"
  rect 0.75x0.3 smd mask+0.05: 1(-1.33,0.75) 2(-1.33,0.25) 3(-1.33,-0.25) 4(-1.33,-0.75) 8(1.33,-0.75) 9(1.33,-0.25) 10(1.33,0.25) 11(1.33,0.75)
  rect 0.3x0.75 smd mask+0.05: 5(-0.5,-1.1) 6(0,-1.1) 7(0.5,-1.1) 12(0.5,1.1) 13(0,1.1) 14(-0.5,1.1)
  silkscreen extent -2.16,-1.25 1.52,1.8, body extent -1.52,-1.27 1.52,1.27, height 0.9
"LOGO CE" [mm]
  silkscreen extent -3.27,-3.31 4.33,3.3
LOGO_ST_Size3 [mm]
  silkscreen extent -4.5,-2.36 4.7,2.57
"LQFP100 14x14x1.6" [mm] "LQFP100 14x14mm low profile 1.6mm"
  rect 1.2x0.3 smd: 1(-7.75,6) 2(-7.75,5.5) 3(-7.75,5) 4(-7.75,4.5) 5(-7.75,4) 6(-7.75,3.5) 7(-7.75,3) 8(-7.75,2.5) 9(-7.75,2) 10(-7.75,1.5) 11(-7.75,1) 12(-7.75,0.5) 13(-7.75,0) 14(-7.75,-0.5) 15(-7.75,-1) 16(-7.75,-1.5) 17(-7.75,-2) 18(-7.75,-2.5) 19(-7.75,-3) 20(-7.75,-3.5) 21(-7.75,-4) 22(-7.75,-4.5) 23(-7.75,-5) 24(-7.75,-5.5) 25(-7.75,-6) 51(7.75,-6) 52(7.75,-5.5) 53(7.75,-5) 54(7.75,-4.5) 55(7.75,-4) 56(7.75,-3.5) 57(7.75,-3) 58(7.75,-2.5) 59(7.75,-2) 60(7.75,-1.5) 61(7.75,-1) 62(7.75,-0.5) 63(7.75,0) 64(7.75,0.5) 65(7.75,1) 66(7.75,1.5) 67(7.75,2) 68(7.75,2.5) 69(7.75,3) 70(7.75,3.5) 71(7.75,4) 72(7.75,4.5) 73(7.75,5) 74(7.75,5.5) 75(7.75,6)
  rect 0.3x1.2 smd: 26(-6,-7.75) 27(-5.5,-7.75) 28(-5,-7.75) 29(-4.5,-7.75) 30(-4,-7.75) 31(-3.5,-7.75) 32(-3,-7.75) 33(-2.5,-7.75) 34(-2,-7.75) 35(-1.5,-7.75) 36(-1,-7.75) 37(-0.5,-7.75) 38(0,-7.75) 39(0.5,-7.75) 40(1,-7.75) 41(1.5,-7.75) 42(2,-7.75) 43(2.5,-7.75) 44(3,-7.75) 45(3.5,-7.75) 46(4,-7.75) 47(4.5,-7.75) 48(5,-7.75) 49(5.5,-7.75) 50(6,-7.75) 76(6,7.75) 77(5.5,7.75) 78(5,7.75) 79(4.5,7.75) 80(4,7.75) 81(3.5,7.75) 82(3,7.75) 83(2.5,7.75) 84(2,7.75) 85(1.5,7.75) 86(1,7.75) 87(0.5,7.75) 88(0,7.75) 89(-0.5,7.75) 90(-1,7.75) 91(-1.5,7.75) 92(-2,7.75) 93(-2.5,7.75) 94(-3,7.75) 95(-3.5,7.75) 96(-4,7.75) 97(-4.5,7.75) 98(-5,7.75) 99(-5.5,7.75) 100(-6,7.75)
  silkscreen extent -7.87,-6.3 6.3,6.82, body extent -7,-7 7,7, height 1.65
MOS_SOT23-5L [mm]
  rect 0.6x1.3 smd mask+0.05: 1(-0.95,-1.1) 2(0,-1.1) 3(0.95,-1.1) 4(0.95,1.1) 5(-0.95,1.1)
  silkscreen extent -1.6,-0.95 1.6,0.97, body extent -1.52,-1.25 1.52,1.25, height 1.45
PTB [mm]
  rect 2x1 smd: 1(0,0)
  silkscreen extent -1.1,-0.6 1.1,0.6
REG_SOT23-5L [mm]
  rect 0.6x1.3 smd mask+0.05: 1(-0.95,-1.1) 2(0,-1.1) 3(0.95,-1.1) 4(0.95,1.1) 5(-0.95,1.1)
  silkscreen extent -1.6,-0.95 1.6,0.97, body extent -1.52,-1.25 1.52,1.25, height 1.1
REG_SOT223-TAB [mm]
  rect 1.5x1.65 smd mask+0.05: 1(-2.3,-3.175) 2(0,-3.175) 3(2.3,-3.175)
  rect 3.5x1.65 smd mask+0.05: 4(0,3.175)
  silkscreen extent -3.35,-2.15 3.35,2.12, body extent -3.35,-3.48 3.35,3.48, height 1.8
SB [mil]
  round 10 smd paste-10: 1(-19.68,0)
  round 10 smd paste-10.08: 2(23.62,0)
  Top Layer region: -5.91,19.68 13.78,0 -5.91,-19.69 47.24,-19.69 47.24,19.68
  Top Layer region: -47.24,-19.69 -47.24,19.68 -15.75,19.68 3.94,0 -15.75,-19.69
  silkscreen extent -50,-23 50,23
SOP8 [mm] "SOP, 8-Leads, Body 5.0x4.0mm (max), Pitch 1.27mm, IPC Medium Density"
  rect 2.2x0.6 smd: 1(-2.425,1.905)
  oval 2.2x0.6 smd: 2(-2.425,0.635) 3(-2.425,-0.635) 4(-2.425,-1.905) 5(2.425,-1.905) 6(2.425,-0.635) 7(2.425,0.635) 8(2.425,1.905)
  silkscreen extent -2.64,-2.54 2.03,3.02, body extent -2.97,-2.45 3.17,2.44, height 1.73
SOP8L [mm] "SOP, 8-Leads, Body 5.0x4.0mm (max), Pitch 1.27mm, IPC Medium Density"
  rect 2.2x0.6 smd: 1(-3.32,1.905)
  oval 2.2x0.6 smd: 2(-3.32,0.635) 3(-3.32,-0.635) 4(-3.32,-1.905) 5(3.32,-1.905) 6(3.32,-0.635) 7(3.32,0.635) 8(3.32,1.905)
  silkscreen extent -2.64,-2.54 2.03,3.02, body extent -2.97,-2.45 3.17,2.44, height 1.73
SOT23-3 [mm]
  rect 0.9x0.95 smd: 1(-0.95,-2.35) 2(0.95,-2.35) 3(0,0)
  silkscreen extent -1.9,-3.35 1.3,0, body extent -1.27,-1.8 1.32,-0.51, height 1.05
SOT23-5 [mil]
  rect 50x20 smd: 1(-50,37.5) 2(-50,0.5) 3(-50,-37.5) 4(50,-37.5) 5(50,37.5)
  silkscreen extent -104,-7 55,77, body extent -32,-57 32,57, height 47
SOT223_SC73 [mil]
  rect 39x59 smd: 1(-90,-124) 2(0,-124) 3(90,-124)
  rect 129x59 smd: 2(0,124)
  silkscreen extent -140,-71 138,70, body extent -128,-136 128,138, height 65
"Spacer+Nut M3" [mm] "Spacer+Nut M3 Mechanical Only"
  body extent -3.17,-2.75 3.18,2.75, height 5.5
SPBTLE-RF [mm]
  rect 1.6x1 smd: 1(0,0) 2(0,-1.27) 3(0,-2.54) 4(0,-3.81) 5(0,-5.08) 7(13.5,-5.08) 8(13.5,-3.81) 9(13.5,-2.54) 10(13.5,-1.27) 11(13.5,0)
  rect 1x1.6 smd: 6(4,-6.08)
  silkscreen extent -0.69,-5.88 13.5,5.72, body extent -0.03,-5.89 13.51,5.72, height 2.1
SPSGRF [mm]
  rect 1.6x1 smd: 1(0,0) 2(0,-1.27) 3(0,-2.54) 4(0,-3.81) 5(0,-5.08) 7(13.5,-5.08) 8(13.5,-3.81) 9(13.5,-2.54) 10(13.5,-1.27) 11(13.5,0)
  rect 1x1.6 smd: 6(4,-6.08)
  silkscreen extent -0.64,-5.88 13.5,5.72, body extent 0.03,-5.89 13.51,5.72, height 2.1
"SWI_WEALTHMETAL_TD-0341_4P - BACK" [mm] "SMD Push Button with Back Plastic"
  rect 1.52x2.16 smd mask+0.05: 1(-2.25,-4.75) 1(-2.25,4.75) 2(2.25,-4.75) 2(2.25,4.75)
  silkscreen extent -3,-3.5 3,3.5, body extent -3,-5 3,5, height 6
"SWI_WEALTHMETAL_TD-0341_4P - BLUE" [mm] "SMD Push Button with Back Plastic"
  rect 1.52x2.16 smd mask+0.05: 1(-2.25,-4.75) 1(-2.25,4.75) 2(2.25,-4.75) 2(2.25,4.75)
  silkscreen extent -3,-3.5 3,3.5, body extent -3,-5 3,5, height 6
SYMBOL_ESD [mm]
  silkscreen extent -3.46,-2.52 3.25,3.62
SYMBOL_RoHS [mm]
  silkscreen extent 0,0 9.5,6
VFLGA12-2x2x1 [mm] "LGA12 2x2x1mm"
  rect 0.3x0.3 smd mask+0.05: 1(-0.75,0.75) 2(-0.75,0.25) 3(-0.75,-0.25) 4(-0.75,-0.75) 5(-0.25,-0.75) 6(0.25,-0.75) 7(0.75,-0.75) 8(0.75,-0.25) 9(0.75,0.25) 10(0.75,0.75) 11(0.25,0.75) 12(-0.25,0.75)
  silkscreen extent -1.47,-1.02 1.02,1.45, body extent -1.02,-1.02 1.02,1.02, height 1.1

## Part data
B1 B2: library part SW-PB_2, "Push-button SMD"
C1 C2 C3 C4 C5 C6 C7 C8 C9 C10 C11 C12 C13 C14 C15 C16 C17 C18 C19 C20 C21 C22 C23 C24 C25 C26 C27 C28 C29 C30 C31 C32 C33 C34 C35 C36 C37 C38 C39 C40 C41 C42 C43 C44 C45 C46 C47 C48 C49 C50 C51 C52 C53 C54 C55 C56 C57 C58 C59 C60 C61 C62 C63 C64 C65 C66 C67 C68 C69 C70 C71 C72 C73 C74 C75 C76: library part CAP_NPOL, "Capacitor_not polarized"
CN1: "Header, 10-Pin, SMD, Single row,female"
CN2 CN3: "Header, 8-Pin, SMD, Single row,female"
CN4: "Header, 6-Pin, SMD, Single row,female"
CN5: library part Tag-10-C, "Tag_Connector Header, 10-Pin, Dual row No legs"
CN6: library part "Header 2 pins", "Header 2 pins"
CN7: "USB-MICRO-B, 1050170001, SMT, MOLEX"
CN8: library part "Header 4", "Header, 4-Pin"
CN9: "USB-MICRO-AB, 47590-0001, SMT, MOLEX"
CN10: "PMOD Connector Warning Specific Pinout"
JP5 JP6 JP7 JP8: library part TSW-102-07-x-S, "Connector jumper 1 position"
L1 L2: library part Inductor, "Inductor"
LD1 LD2 LD3 LD4 LD5 LD7 LD8 LD9: "Light-Emitting Diode"
LD6: "Bicolor Led"
M1: library part SPBTLE-RF, "SPBTLE-RF"
M2: "ISM43362-M3G-L44 Wifi Module 802.11 bgn"
M3: "SPSGRF-915or SPSGRF-868"
Q1 Q2: "BSR14 NPN switching transistor SOT23 (Marking U8)"
R1 R2 R3 R4 R5 R6 R7 R8 R9 R10 R11 R12 R13 R14 R15 R16 R18 R19 R20 R21 R22 R23 R24 R25 R26 R27 R28 R29 R30 R31 R32 R33 R34 R35 R36 R38 R39 R40 R41 R42 R43 R44 R45 R46 R47 R48 R49 R50 R51 R52 R53 R54 R55 R56 R57 R58 R59 R61 R62 R64 R65 R66 R67: library part RES, "Resistor"
SB1 SB2 SB3 SB4 SB5 SB6 SB7 SB8 SB9 SB10 SB11 SB12 SB13 SB14 SB15 SB16 SB17 SB18 SB19 SB20 SB21: library part Strap2, "Solder Jumper"
TP1 TP2 TP3 TP4 TP5 TP6: "Point de test"
U2 U10: library part MP34DT01, "MEMS audio microphone"
U3: "Accelero + Gyro MEMS (6 Axis)"
U4: "Proximity sensor MEMS"
U5 U7: "IC,Sensor"
U6: "Humidity + Temp MEMS"
U8: "M24SR64-Y  64K_EEPROM NFC/RFID"
U9: library part STSAFE-A100, "STSAFE-A100"
U11: "MX25R6435F Serial Flash Memory 64M"
U12: "LT1963EST-3.3 LDO Low Noise 1.5A fast Transient Response"
U13: "IC REG LDO 5V 0.8A SOT223"
U14: "LOW DROP FIXED AND ADJUSTABLE POSITIVE VOLTAGE REGULATORS (3.3 Volts)"
U15: "Medium-density performance line ARM-based 32-bit MCU with 128KB Flash"
U16: "Ultra low drop-low noise BiCMOS voltage, regulators low ESR capacitors compatible"
U17: "1.2 A current limited high-side power switch with thermal shutdown"
U18 U20: "2-line IPAD, EMI filter including ESD protection"
U19: "Enhanced single channel power switches"
U21: "TSV631AILT  Rail-to-rail input/output, 60 µA, 880 kHz, 5 V CMOS  operational amplifiers"
X1 X3: library part XTAL_8M_NX3225GD, "Crystal 8Mhz, 8pF, -+50PPM, SMD"
X2: library part XTAL_32K_NX3215SA, "Crystal 32.768kHz, 6pF, -+20PPM, R=50K, SMD"